# KiCad board Ashwing66_allkeys.kicad_pcb
title: Ashwing66; date: 2024-05-09; rev: 1; company: James Gzowski
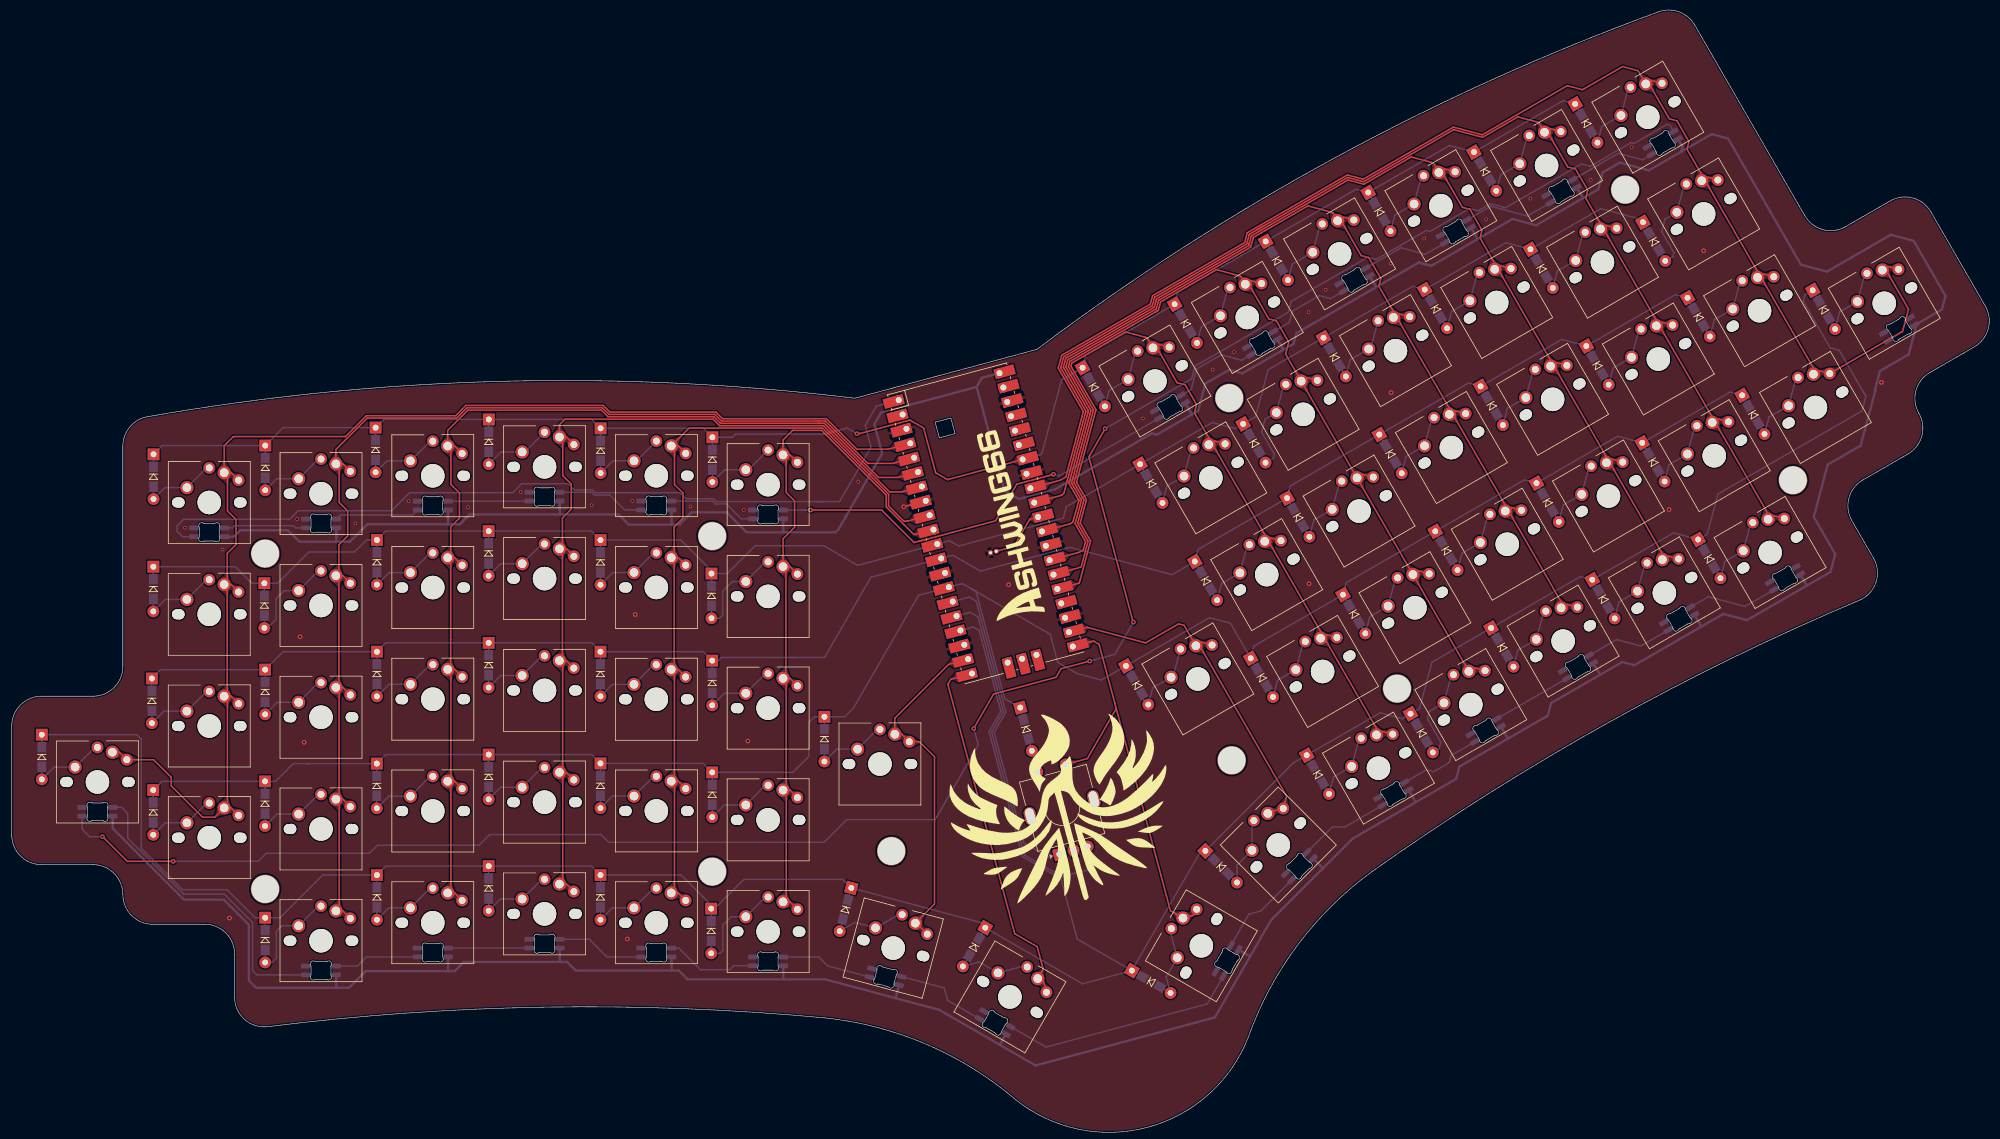
[diagram p0: board, top side]
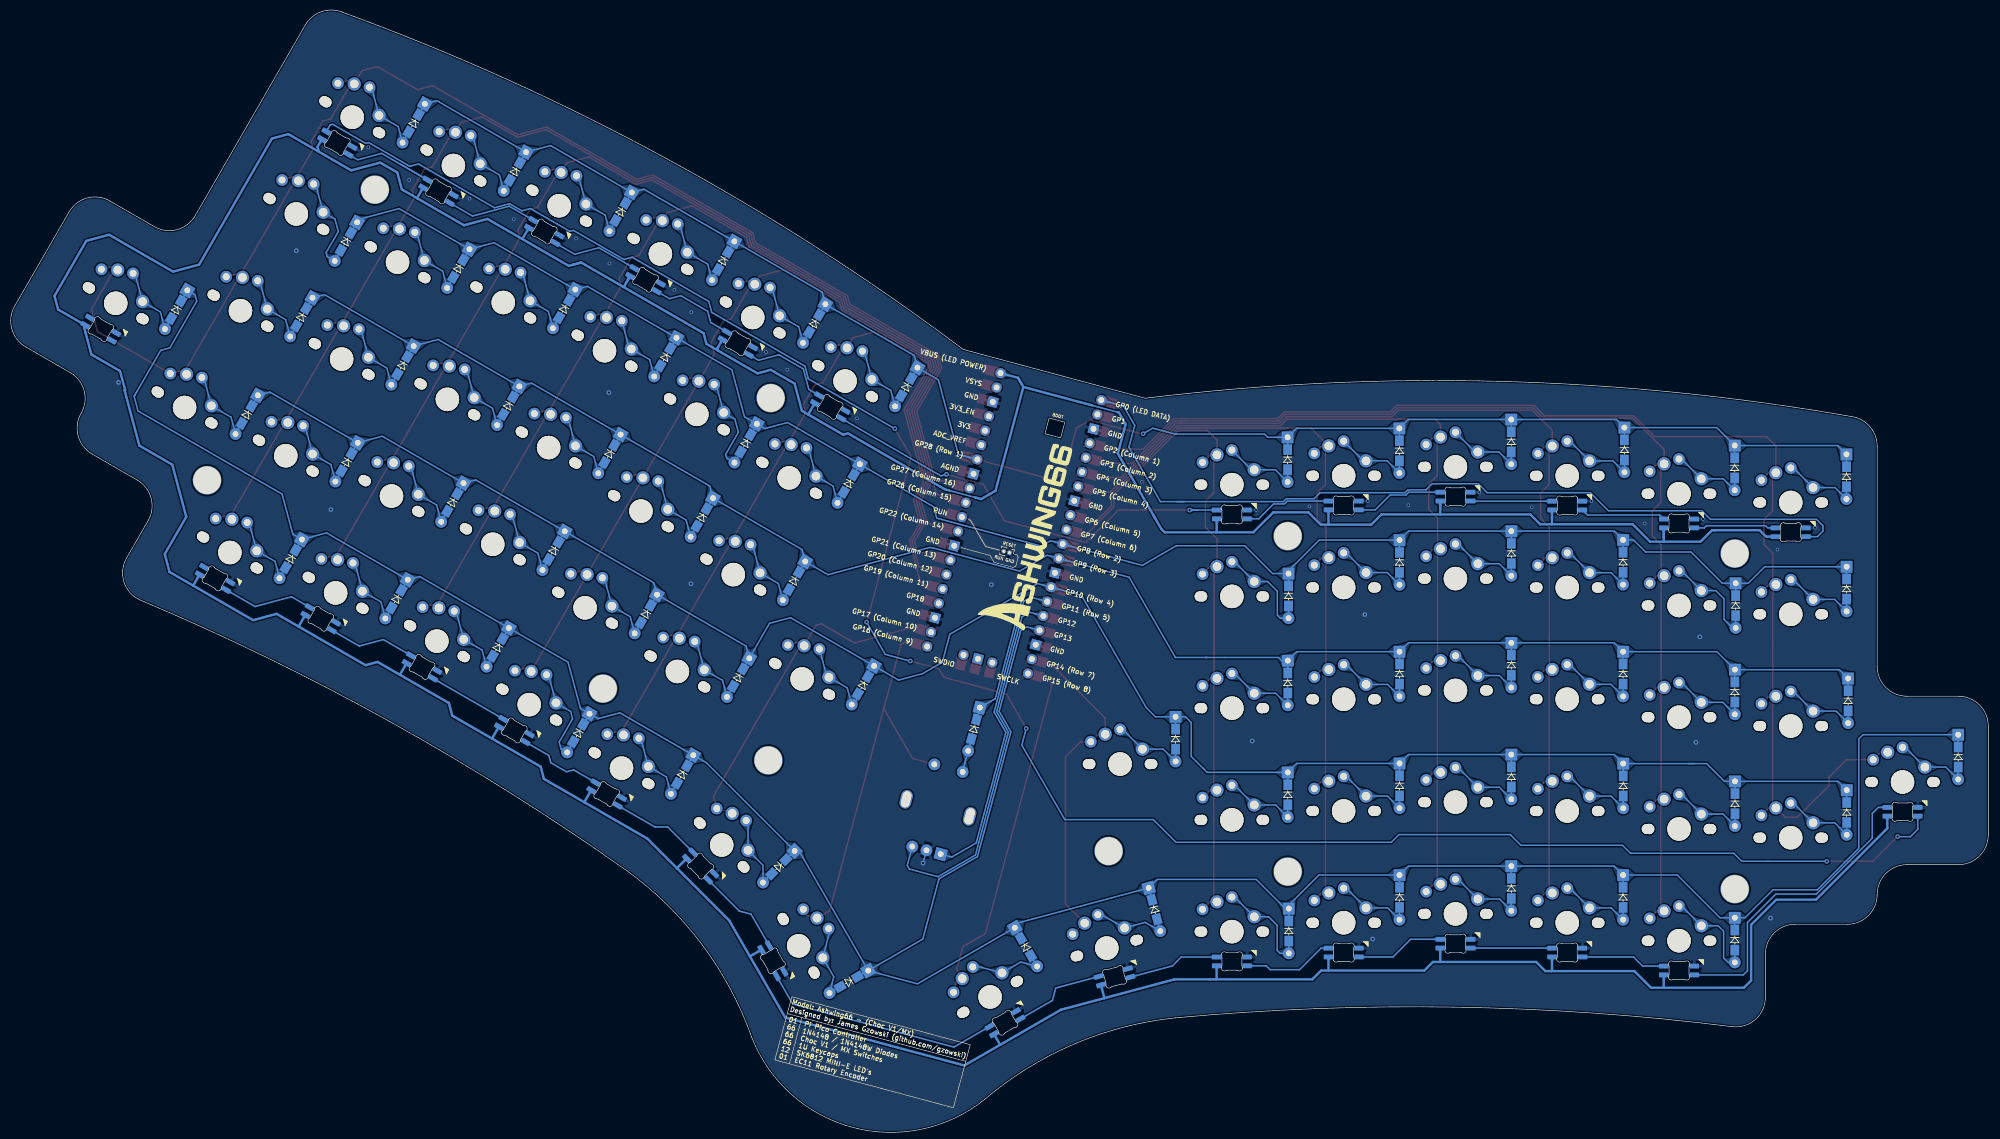
[diagram p1: board, bottom side, seen from below]

Outline 337.07 x 191.34 mm; copper layers: Top, Bottom. Coordinates in mm from the lower left corner of the outline.
Outline path: 157.39,121.08 160.07,121.8 160.79,119.12 158.11,118.4 closed ; 0,50.72 0,69.27 arc(1.49,72.87) 5.08,74.35 13.86,74.36 arc(17.45,75.84) 18.94,79.44 18.94,116.98 arc(20.12,120.24) 23.11,122.01 arc(83.28,128.04) 143.68,125.16 174.74,133.49 arc(225.61,166.19) 280.74,191.05 arc(284.21,191.02) 286.86,188.78 305.63,156.27 arc(308.72,153.9) 312.57,154.41 320.18,158.8 arc(324.03,159.3) 327.12,156.94 336.39,140.87 arc(336.9,137.02) 334.53,133.93 326.93,129.54 arc(324.57,126.46) 325.07,122.6 arc(325.58,118.75) 323.21,115.66 315.51,111.22 arc(313.15,108.13) 313.66,104.28 317.34,97.9 arc(317.78,93.85) 315.09,90.79 arc(272.29,69.95) 232.02,44.59 arc(219.23,32.01) 210.76,16.2 arc(193.63,0.87) 171.12,5.57 arc(155.89,15.03) 138.53,19.53 arc(90.97,21.35) 43.49,18.01 arc(39.63,19.31) 37.99,23.04 37.99,30.4 arc(36.5,33.99) 32.91,35.48 24.02,35.48 arc(20.43,36.97) 18.94,40.56 arc(17.45,44.15) 13.86,45.64 5.08,45.64 arc(1.49,47.13) 0,50.72
Stack: Top 0.035mm / dielectric 1.51mm FR4 er 4.5 / Bottom 0.035mm

## Placement (name value [footprint] x y rotation side)
D0  D  [Diode_THT_SOD123F_FIXED4]  24.17 111.78 270 bottom
D1  D  [Diode_THT_SOD123F_FIXED4]  43.22 113.28 270 bottom
D2  D  [Diode_THT_SOD123F_FIXED4]  62.02 116.34 270 bottom
D3  D  [Diode_THT_SOD123F_FIXED4]  81.32 117.73 270 bottom
D4  D  [Diode_THT_SOD123F_FIXED4]  100.37 116.21 270 bottom
D5  D  [Diode_THT_SOD123F_FIXED4]  119.42 114.69 270 bottom
D6  D  [Diode_THT_SOD123F_FIXED4]  184.43 127.07 300 bottom
D7  D  [Diode_THT_SOD123F_FIXED4]  200.12 137.89 300 bottom
D8  D  [Diode_THT_SOD123F_FIXED4]  215.64 148.6 300 bottom
D9  D  [Diode_THT_SOD123F_FIXED4]  233.11 156.94 300 bottom
D10  D  [Diode_THT_SOD123F_FIXED4]  251.14 163.81 300 bottom
D11  D  [Diode_THT_SOD123F_FIXED4]  268.39 172.04 300 bottom
D16  D  [Diode_THT_SOD123F_FIXED4]  24.14 92.63 270 bottom
D17  D  [Diode_THT_SOD123F_FIXED4]  43.06 89.81 270 bottom
D18  D  [Diode_THT_SOD123F_FIXED4]  62.25 97.19 270 bottom
D19  D  [Diode_THT_SOD123F_FIXED4]  81.29 98.7 270 bottom
D20  D  [Diode_THT_SOD123F_FIXED4]  100.35 97.16 270 bottom
D21  D  [Diode_THT_SOD123F_FIXED4]  119.27 91.46 270 bottom
D22  D  [Diode_THT_SOD123F_FIXED4]  194.24 110.62 300 bottom
D23  D  [Diode_THT_SOD123F_FIXED4]  211.8 117.48 300 bottom
D24  D  [Diode_THT_SOD123F_FIXED4]  225.49 132.17 300 bottom
D25  D  [Diode_THT_SOD123F_FIXED4]  242.75 140.39 300 bottom
D26  D  [Diode_THT_SOD123F_FIXED4]  260.77 147.26 300 bottom
D27  D  [Diode_THT_SOD123F_FIXED4]  279.94 151.86 300 bottom
D32  D  [Diode_THT_SOD123F_FIXED4]  5.12 63.99 270 bottom
D32#2  D  [Diode_THT_SOD123F_FIXED4]  138.52 67.04 270 bottom
D32#3  D  [Diode_THT_SOD123F_FIXED4]  23.89 73.58 270 bottom
D33  D  [Diode_THT_SOD123F_FIXED4]  43.19 75.08 270 bottom
D34  D  [Diode_THT_SOD123F_FIXED4]  62.25 78.14 270 bottom
D35  D  [Diode_THT_SOD123F_FIXED4]  81.29 79.65 270 bottom
D36  D  [Diode_THT_SOD123F_FIXED4]  100.35 78.14 270 bottom
D37  D  [Diode_THT_SOD123F_FIXED4]  119.4 76.61 270 bottom
D38  D  [Diode_THT_SOD123F_FIXED4]  203.56 94.03 300 bottom
D39  D  [Diode_THT_SOD123F_FIXED4]  219.28 104.84 300 bottom
D40  D  [Diode_THT_SOD123F_FIXED4]  235.01 115.67 300 bottom
D41  D  [Diode_THT_SOD123F_FIXED4]  252.27 123.89 300 bottom
D42  D  [Diode_THT_SOD123F_FIXED4]  270.3 130.76 300 bottom
D43  D  [Diode_THT_SOD123F_FIXED4]  287.54 138.98 300 bottom
D44  D  [Diode_THT_SOD123F_FIXED4]  191.82 76.23 300 bottom
D44#2  D  [Diode_THT_SOD123F_FIXED4]  308.88 140.26 300 bottom
D48  D  [Diode_THT_SOD123F_FIXED4]  24.12 54.54 270 bottom
D49  D  [Diode_THT_SOD123F_FIXED4]  43.17 56.04 270 bottom
D50  D  [Diode_THT_SOD123F_FIXED4]  62.22 59.06 270 bottom
D51  D  [Diode_THT_SOD123F_FIXED4]  81.29 60.6 270 bottom
D52  D  [Diode_THT_SOD123F_FIXED4]  100.35 59.09 270 bottom
D53  D  [Diode_THT_SOD123F_FIXED4]  119.4 57.56 270 bottom
D54  D  [Diode_THT_SOD123F_FIXED4]  213.08 77.53 300 bottom
D55  D  [Diode_THT_SOD123F_FIXED4]  228.82 88.37 300 bottom
D56  D  [Diode_THT_SOD123F_FIXED4]  244.54 99.17 300 bottom
D57  D  [Diode_THT_SOD123F_FIXED4]  261.8 107.39 300 bottom
D58  D  [Diode_THT_SOD123F_FIXED4]  279.82 114.26 300 bottom
D59  D  [Diode_THT_SOD123F_FIXED4]  296.85 122.36 300 bottom
D64  D  [Diode_THT_SOD123F_FIXED4]  43.2 32.78 270 bottom
D65  D  [Diode_THT_SOD123F_FIXED4]  62.25 40.06 270 bottom
D66  D  [Diode_THT_SOD123F_FIXED4]  81.3 41.59 270 bottom
D67  D  [Diode_THT_SOD123F_FIXED4]  100.35 40.06 270 bottom
D68  D  [Diode_THT_SOD123F_FIXED4]  119.22 34.34 270 bottom
D69  D  [Diode_THT_SOD123F_FIXED4]  142.12 37.99 255 bottom
D69#2  D  [Diode_THT_SOD123F_FIXED4]  164.03 31.6 240 bottom
D69#3  D  [Diode_THT_SOD123F_FIXED4]  172.89 68.73 285 bottom
D70  D  [Diode_THT_SOD123F_FIXED4]  206.15 45.29 315 bottom
D70#2  D  [Diode_THT_SOD123F_FIXED4]  194.21 25.67 330 bottom
D71  D  [Diode_THT_SOD123F_FIXED4]  222.63 61.01 300 bottom
D72  D  [Diode_THT_SOD123F_FIXED4]  240.33 68.08 300 bottom
D73  D  [Diode_THT_SOD123F_FIXED4]  254.06 82.69 300 bottom
D74  D  [Diode_THT_SOD123F_FIXED4]  271.31 90.92 300 bottom
D75  D  [Diode_THT_SOD123F_FIXED4]  289.35 97.78 300 bottom
G***  -  [LOGO]  168.22 103.23 105 top
G***#2  -  [LOGO]  163.96 102.01 105 bottom
K0  Blank  [SW_Cherry_Choc5_MX_1.00u_PCB_LED]  36.21 112.47 0 top
K1  Blank  [SW_Cherry_Choc5_MX_1.00u_PCB_LED_3D2_MX#2]  55.26 113.97 0 top
K2  Blank  [SW_Cherry_Choc5_MX_1.00u_PCB_LED_3D2_MX#2]  74.31 117.02 0 top
K3  Blank  [SW_Cherry_Choc5_MX_1.00u_PCB_LED_3D2_MX#2]  93.36 118.54 0 top
K4  Blank  [SW_Cherry_Choc5_MX_1.00u_PCB_LED_3D2_MX#2]  112.42 117.03 0 top
K5  Blank  [SW_Cherry_Choc5_MX_1.00u_PCB_LED_3D2_MX#2]  131.47 115.5 0 top
K6  Blank  [SW_Cherry_Choc5_MX_1.00u_PCB_LED_3D2_MX]  194.52 133.75 30 top
K7  Blank  [SW_Cherry_Choc5_MX_1.00u_PCB_LED_3D2_MX]  210.26 144.6 30 top
K8  Blank  [SW_Cherry_Choc5_MX_1.00u_PCB_LED_3D2_MX]  225.99 155.43 30 top
K9  Blank  [SW_Cherry_Choc5_MX_1.00u_PCB_LED_3D2_MX]  243.25 163.65 30 top
K10  Blank  [SW_Cherry_Choc5_MX_1.00u_PCB_LED_3D2_MX]  261.28 170.5 30 top
K11  Blank  [SW_Cherry_Choc5_MX_1.00u_PCB_LED_3D2_MX]  278.52 178.74 30 top
K16  Blank  [SW_Cherry_Choc5_MX_1.00u_PCB]  36.2 93.4 0 top
K17  Blank  [SW_Cherry_Choc5_MX_1.00u_PCB_3D#2]  55.25 94.9 0 top
K18  Blank  [SW_Cherry_Choc5_MX_1.00u_PCB_3D#2]  74.31 97.97 0 top
K19  Blank  [SW_Cherry_Choc5_MX_1.00u_PCB_3D#2]  93.36 99.49 0 top
K20  Blank  [SW_Cherry_Choc5_MX_1.00u_PCB_3D#2]  112.42 97.98 0 top
K21  Blank  [SW_Cherry_Choc5_MX_1.00u_PCB_3D#2]  131.47 96.45 0 top
K22  Blank  [SW_Cherry_Choc5_MX_1.00u_PCB_3D]  204.05 117.25 30 top
K23  Blank  [SW_Cherry_Choc5_MX_1.00u_PCB_3D]  219.78 128.08 30 top
K24  Blank  [SW_Cherry_Choc5_MX_1.00u_PCB_3D]  235.52 138.93 30 top
K25  Blank  [SW_Cherry_Choc5_MX_1.00u_PCB_3D]  252.78 147.15 30 top
K26  Blank  [SW_Cherry_Choc5_MX_1.00u_PCB_3D]  270.8 154.02 30 top
K27  Blank  [SW_Cherry_Choc5_MX_1.00u_PCB_3D]  288.05 162.24 30 top
K32  Blank  [SW_Cherry_Choc5_MX_1.00u_PCB_3D#2]  36.2 74.35 0 top
K33  Blank  [SW_Cherry_Choc5_MX_1.00u_PCB_3D#2]  55.25 75.85 0 top
K34  Blank  [SW_Cherry_Choc5_MX_1.00u_PCB_3D#2]  74.32 78.93 0 top
K35  Blank  [SW_Cherry_Choc5_MX_1.00u_PCB_3D#2]  93.35 80.43 0 top
K36  Blank  [SW_Cherry_Choc5_MX_1.00u_PCB_3D#2]  112.41 78.92 0 top
K37  Blank  [SW_Cherry_Choc5_MX_1.00u_PCB_3D#2]  131.47 77.4 0 top
K38  Blank  [SW_Cherry_Choc5_MX_1.00u_PCB_3D]  213.57 100.76 30 top
K39  Blank  [SW_Cherry_Choc5_MX_1.00u_PCB_3D]  229.31 111.59 30 top
K40  Blank  [SW_Cherry_Choc5_MX_1.00u_PCB_3D]  245.04 122.42 30 top
K41  Blank  [SW_Cherry_Choc5_MX_1.00u_PCB_3D]  262.3 130.64 30 top
K42  Blank  [SW_Cherry_Choc5_MX_1.00u_PCB_3D]  280.33 137.51 30 top
K43  Blank  [SW_Cherry_Choc5_MX_1.00u_PCB_3D]  297.57 145.75 30 top
K44  Blank  [SW_Cherry_Choc5_MX_1.00u_PCB_3D]  201.84 82.96 30 top
K44#2  Blank  [SW_Cherry_Choc5_MX_1.00u_PCB_LED_NEWER]  318.83 147.01 30 top
K48  Blank  [SW_Cherry_Choc5_MX_1.00u_PCB_3D#2]  36.21 55.32 0 top
K49  Blank  [SW_Cherry_Choc5_MX_1.00u_PCB_3D#2]  55.25 56.8 0 top
K50  Blank  [SW_Cherry_Choc5_MX_1.00u_PCB_3D#2]  74.31 59.87 0 top
K51  Blank  [SW_Cherry_Choc5_MX_1.00u_PCB_3D#2]  93.35 61.38 0 top
K52  Blank  [SW_Cherry_Choc5_MX_1.00u_PCB_3D#2]  112.42 59.88 0 top
K53  Blank  [SW_Cherry_Choc5_MX_1.00u_PCB_3D#2]  131.47 58.35 0 top
K54  Blank  [SW_Cherry_Choc5_MX_1.00u_PCB_3D]  223.1 84.24 30 top
K55  Blank  [SW_Cherry_Choc5_MX_1.00u_PCB_3D]  238.83 95.1 30 top
K56  Blank  [SW_Cherry_Choc5_MX_1.00u_PCB_3D]  254.57 105.93 30 top
K57  Blank  [SW_Cherry_Choc5_MX_1.00u_PCB_3D]  271.83 114.15 30 top
K58  Blank  [SW_Cherry_Choc5_MX_1.00u_PCB_3D]  289.85 121.02 30 top
K59  Blank  [SW_Cherry_Choc5_MX_1.00u_PCB_3D]  307.1 129.25 30 top
K60  Blank  [SW_Cherry_Choc5_MX_1.00u_PCB_3D#2]  150.53 67.88 0 top
K60#2  Blank  [SW_Cherry_Choc5_MX_1.00u_PCB_LED_NEWER]  17.15 64.81 0 top
K64  Blank  [SW_Cherry_Choc5_MX_1.00u_PCB_LED_NEWER]  55.25 37.75 0 top
K65  Blank  [SW_Cherry_Choc5_MX_1.00u_PCB_LED_NEWER]  74.31 40.82 0 top
K66  Blank  [SW_Cherry_Choc5_MX_1.00u_PCB_LED_NEWER]  93.35 42.33 0 top
K67  Blank  [SW_Cherry_Choc5_MX_1.00u_PCB_LED_NEWER]  112.41 40.82 0 top
K68  Blank  [SW_Cherry_Choc5_MX_1.00u_PCB_LED_NEWER]  131.47 39.3 0 top
K69  Blank  [SW_Cherry_Choc5_MX_1.00u_PCB_LED_NEWER]  174.88 26.22 330 top
K69#2  Blank  [SW_Cherry_Choc5_MX_1.00u_PCB_LED_NEWER]  154.01 35.67 345 top
K70  Blank  [SW_Cherry_Choc5_MX_1.00u_PCB_LED_NEWER]  199.64 36.54 60 top
K70#2  Blank  [SW_Cherry_Choc5_MX_1.00u_PCB_LED_NEWER]  214.09 54.38 45 top
K71  Blank  [SW_Cherry_Choc5_MX_1.00u_PCB_LED_NEWER]  232.62 67.76 30 top
K72  Blank  [SW_Cherry_Choc5_MX_1.00u_PCB_LED_NEWER]  248.36 78.59 30 top
K73  Blank  [SW_Cherry_Choc5_MX_1.00u_PCB_LED_NEWER]  264.09 89.42 30 top
K74  Blank  [SW_Cherry_Choc5_MX_1.00u_PCB_LED_NEWER]  281.35 97.64 30 top
K75  Blank  [SW_Cherry_Choc5_MX_1.00u_PCB_LED_NEWER]  299.37 104.53 30 top
Logo  -  [LOGO]  178.95 56.03 15 top
pico  -  [RPi_Pico_SMD_TH]  166.02 103.83 15 top
RESET  -  [PinHeader_1x02_P1.00mm_Vertical]  166.84 98.81 285 bottom
RotEnc  -  [RotaryEncoder_EC11]  179.04 55.33 105 top
TH3  HOLE  [HOLE_M2_TH]  149.92 47.96 15 top
TH3#2  HOLE  [HOLE_M2_TH]  119.4 44.46 15 top
TH3#3  HOLE  [HOLE_M2_TH]  119.4 101.66 15 top
TH3#4  HOLE  [HOLE_M2_TH]  43.2 98.68 15 top
TH3#5  HOLE  [HOLE_M2_TH]  43.2 41.48 15 top
TH3#6  HOLE  [HOLE_M2_TH]  303.61 111.18 195 bottom
TH3#7  HOLE  [HOLE_M2_TH]  207.53 125.19 195 bottom
TH3#8  HOLE  [HOLE_M2_TH]  275.01 160.72 195 bottom
TH3#9  HOLE  [HOLE_M2_TH]  207.94 63.43 195 bottom
TH3#10  HOLE  [HOLE_M2_TH]  236.13 75.66 195 bottom

## Library data of the parts
D0-D11 D16-D27 D32#3 D33-D43 D44#2 D48-D59 D64-D75 = -: ki_fp_filters: TO-???* *_Diode_* *SingleDiode* D_*
K0-K11 K44#2 K60#2 K64-K69 K69#2 K70 K70#2 K71-K75 = -: Field4: 1

## Footprints (pads in the part's own frame, mm; a bottom-side part is the same pattern mirrored in y, then rotated)
Diode_THT_SOD123F_FIXED4
  rect 2x2 hole 1: 1(-3.81,0)
  rect 1.8x1.5 smd: 1(-1.7,0) 2(1.7,0)
  round 1.999 hole 1: 2(3.81,0)
HOLE_M2_TH
  round 4.9 hole 4.7: (0,0)
PinHeader_1x02_P1.00mm_Vertical
  round 0.85 hole 0.5: 1(0,0) 2(0,-1)
RotaryEncoder_EC11
  oval 3.2x2 hole 2.8x1.5 unplated: (0,5.6) (0,-5.6)
  rect 2x2 hole 1: A(-7.5,2.5)
  round 2 hole 1: B(-7.5,-2.5) C(-7.5,0) ROTIN(7,2.5) S1(7,-2.5)
RPi_Pico_SMD_TH
  oval 1.7x1.7 hole 1.02: 1(-8.89,24.13) 2(-8.89,21.59) 4(-8.89,16.51) 5(-8.89,13.97) 6(-8.89,11.43) 7(-8.89,8.89) 9(-8.89,3.81) 10(-8.89,1.27) 11(-8.89,-1.27) 12(-8.89,-3.81) 14(-8.89,-8.89) 15(-8.89,-11.43) 16(-8.89,-13.97) 17(-8.89,-16.51) 19(-8.89,-21.59) 20(-8.89,-24.13) 21(8.89,-24.13) 22(8.89,-21.59) 24(8.89,-16.51) 25(8.89,-13.97) 26(8.89,-11.43) 27(8.89,-8.89) 29(8.89,-3.81) 30(8.89,-1.27) 31(8.89,1.27) 32(8.89,3.81) 34(8.89,8.89) 35(8.89,11.43) 36(8.89,13.97) 37(8.89,16.51) 39(8.89,21.59) 40(8.89,24.13) 41(-2.54,-23.9) 43(2.54,-23.9)
  rect 3.5x1.7 smd: 1(-8.89,24.13) 2(-8.89,21.59) 3(-8.89,19.05) 4(-8.89,16.51) 5(-8.89,13.97) 6(-8.89,11.43) 7(-8.89,8.89) 8(-8.89,6.35) 9(-8.89,3.81) 10(-8.89,1.27) 11(-8.89,-1.27) 12(-8.89,-3.81) 13(-8.89,-6.35) 14(-8.89,-8.89) 15(-8.89,-11.43) 16(-8.89,-13.97) 17(-8.89,-16.51) 18(-8.89,-19.05) 19(-8.89,-21.59) 20(-8.89,-24.13) 21(8.89,-24.13) 22(8.89,-21.59) 23(8.89,-19.05) 24(8.89,-16.51) 25(8.89,-13.97) 26(8.89,-11.43) 27(8.89,-8.89) 28(8.89,-6.35) 29(8.89,-3.81) 30(8.89,-1.27) 31(8.89,1.27) 32(8.89,3.81) 33(8.89,6.35) 34(8.89,8.89) 35(8.89,11.43) 36(8.89,13.97) 37(8.89,16.51) 38(8.89,19.05) 39(8.89,21.59) 40(8.89,24.13)
  rect 1.7x1.7 hole 1.02: 3(-8.89,19.05) 8(-8.89,6.35) 13(-8.89,-6.35) 18(-8.89,-19.05) 23(8.89,-19.05) 28(8.89,-6.35) 33(8.89,6.35) 38(8.89,19.05) 42(0,-23.9)
  rect 1.7x3.5 smd: 41(-2.54,-23.9) 42(0,-23.9) 43(2.54,-23.9)
SW_Cherry_Choc5_MX_1.00u_PCB
  round 1.7 hole 1.7 unplated: (-8.04,-5.08) (2.96,-5.08)
  round 1.75 hole 1.75 unplated: (-7.62,-5.08) (2.54,-5.08)
  round 4 hole 4 unplated: (-2.54,-5.08)
  round 2.25 hole 1.47: 1(0,0)
  round 2 hole 1.2: 1(2.46,-1.28) 2(-2.54,0.82)
  oval 2.25x2.25 hole 1.47: 2(-6.35,-2.54)
SW_Cherry_Choc5_MX_1.00u_PCB_3D
  round 1.7 hole 1.7 unplated: (-8.04,-5.08) (2.96,-5.08)
  round 1.75 hole 1.75 unplated: (-7.62,-5.08) (2.54,-5.08)
  round 4 hole 4 unplated: (-2.54,-5.08)
  round 2.25 hole 1.47: 1(0,0)
  round 2 hole 1.2: 1(2.46,-1.28) 2(-2.54,0.82)
  oval 2.25x2.25 hole 1.47: 2(-6.35,-2.54)
SW_Cherry_Choc5_MX_1.00u_PCB_3D#2
  round 1.7 hole 1.7 unplated: (-8.04,-5.08) (2.96,-5.08)
  round 1.75 hole 1.75 unplated: (-7.62,-5.08) (2.54,-5.08)
  round 4 hole 4 unplated: (-2.54,-5.08)
  round 2.25 hole 1.47: 1(0,0)
  round 2 hole 1.2: 1(2.46,-1.28) 2(-2.54,0.82)
  oval 2.25x2.25 hole 1.47: 2(-6.35,-2.54)
SW_Cherry_Choc5_MX_1.00u_PCB_LED
  round 1.7 hole 1.7 unplated: (-8.04,-5.08) (2.96,-5.08)
  round 1.75 hole 1.75 unplated: (-7.62,-5.08) (2.54,-5.08)
  round 4 hole 4 unplated: (-2.54,-5.08)
  round 2.25 hole 1.47: 1(0,0)
  rrect 1.6x0.82 smd far side: 1(0.055,-10.905) 2(0.055,-9.405) 3(-5.145,-9.405) 4(-5.145,-10.905)
  round 2 hole 1.2: 1(2.46,-1.28) 2(-2.54,0.82)
  oval 2.25x2.25 hole 1.47: 2(-6.35,-2.54)
SW_Cherry_Choc5_MX_1.00u_PCB_LED_3D2_MX
  round 1.7 hole 1.7 unplated: (-8.04,-5.08) (2.96,-5.08)
  round 1.75 hole 1.75 unplated: (-7.62,-5.08) (2.54,-5.08)
  round 4 hole 4 unplated: (-2.54,-5.08)
  round 2.25 hole 1.47: 1(0,0)
  rrect 1.6x0.82 smd far side: 1(0.055,-10.905) 2(0.055,-9.405) 3(-5.145,-9.405) 4(-5.145,-10.905)
  round 2 hole 1.2: 1(2.46,-1.28) 2(-2.54,0.82)
  oval 2.25x2.25 hole 1.47: 2(-6.35,-2.54)
SW_Cherry_Choc5_MX_1.00u_PCB_LED_3D2_MX#2
  round 1.7 hole 1.7 unplated: (-8.04,-5.08) (2.96,-5.08)
  round 1.75 hole 1.75 unplated: (-7.62,-5.08) (2.54,-5.08)
  round 4 hole 4 unplated: (-2.54,-5.08)
  round 2.25 hole 1.47: 1(0,0)
  rrect 1.6x0.82 smd far side: 1(0.055,-10.905) 2(0.055,-9.405) 3(-5.145,-9.405) 4(-5.145,-10.905)
  round 2 hole 1.2: 1(2.46,-1.28) 2(-2.54,0.82)
  oval 2.25x2.25 hole 1.47: 2(-6.35,-2.54)
SW_Cherry_Choc5_MX_1.00u_PCB_LED_NEWER
  round 1.7 hole 1.7 unplated: (-8.04,-5.08) (2.96,-5.08)
  round 1.75 hole 1.75 unplated: (-7.62,-5.08) (2.54,-5.08)
  round 4 hole 4 unplated: (-2.54,-5.08)
  round 2.25 hole 1.47: 1(0,0)
  round 2 hole 1.2: 1(2.46,-1.28) 2(-2.54,0.82)
  oval 2.25x2.25 hole 1.47: 2(-6.35,-2.54)
  rrect 1.6x0.82 smd far side: 3(-5.145,-9.405) 4(-5.145,-10.905) 5(0.055,-9.405) 6(0.055,-10.905)

## Nets
3V3: pico.36
3V3EN: pico.37
GND: K0.3 K1.3 K2.3 K3.3 K4.3 K5.3 K6.3 K7.3 K8.3 K9.3 K10.3 K11.3 K44#2.3 K60#2.3 K64.3 K65.3 K66.3 K67.3 K68.3 K69.3 K69#2.3 K70.3 K70#2.3 K71.3 K72.3 K73.3 K74.3 K75.3 pico.3 pico.8 pico.13 pico.18 pico.23 pico.28 pico.33 pico.38 RESET.1 RotEnc.C
VBUS: K44#2.6 K60#2.6 K64.6 K65.6 K66.6 K67.6 K68.6 K69.6 K69#2.6 K70.6 K70#2.6 K71.6 K72.6 K73.6 K74.6 K75.6 pico.40
Col_0: K16.1 K32.1 K48.1 K60#2.1 pico.4
Col_0|VBUS: K0.1
Col_1: K17.1 K33.1 K49.1 K64.1 pico.5
Col_1|VBUS: K1.1
Col_2: K18.1 K34.1 K50.1 K65.1 pico.6
Col_2|VBUS: K2.1
Col_3: K19.1 K35.1 K51.1 K66.1 pico.7
Col_3|VBUS: K3.1
Col_4: K20.1 K36.1 K52.1 K67.1 pico.9
Col_4|VBUS: K4.1
Col_5: K21.1 K37.1 K53.1 K68.1 pico.10
Col_5|VBUS: K5.1
Col_6: K60.1 K69#2.1 pico.19
Col_7: K69.1 pico.20
Col_8: K70.1 pico.21 RotEnc.S1
Col_9: K44.1 K70#2.1 pico.22
Col_10: K22.1 K38.1 K54.1 K71.1 pico.25
Col_10|VBUS: K6.1
Col_11: K23.1 K39.1 K55.1 K72.1 pico.26
Col_11|VBUS: K7.1
Col_12: K24.1 K40.1 K56.1 K73.1 pico.27
Col_12|VBUS: K8.1
Col_13: K25.1 K41.1 K57.1 K74.1 pico.29
Col_13|VBUS: K9.1
Col_14: K26.1 K42.1 K58.1 K75.1 pico.31
Col_14|VBUS: K10.1
Col_15: K27.1 K43.1 K44#2.1 K59.1 pico.32
Col_15|VBUS: K11.1
LED1: K0.4 pico.1
LED2: K1.4
LED2|Net-(D0-A): K0.2
LED3: K2.4
LED3|Net-(D1-A): K1.2
LED4: K3.4
LED4|Net-(D2-A): K2.2
LED5: K4.4
LED5|Net-(D3-A): K3.2
LED6: K5.4
LED6|Net-(D4-A): K4.2
LED7: K6.4
LED7|Net-(D5-A): K5.2
LED8: K7.4
LED8|Net-(D6-A): K6.2
LED9: K8.4
LED9|Net-(D7-A): K7.2
LED10: K9.4
LED10|Net-(D8-A): K8.2
LED11: K10.4
LED11|Net-(D9-A): K9.2
LED12: K11.4
LED12|Net-(D10-A): K10.2
LED13: K60#2.4
LED13|Net-(D11-A): K11.2
NET-(DEXT-A): D69#2.2 K69.2
ROT_BUT: D69#3.2 RotEnc.ROTIN
ROT_IN: pico.15 RotEnc.A
ROT_OUT: pico.16 RotEnc.B
Row_0: D0.1 D1.1 D2.1 D3.1 D4.1 D5.1 D6.1 D7.1 D8.1 D9.1 D10.1 D11.1 pico.34
Row_1: D16.1 D17.1 D18.1 D19.1 D20.1 D21.1 D22.1 D23.1 D24.1 D25.1 D26.1 D27.1 pico.11
Row_2: D32#3.1 D33.1 D34.1 D35.1 D36.1 D37.1 D38.1 D39.1 D40.1 D41.1 D42.1 D43.1 pico.12
Row_3: D32#2.1 D44.1 D48.1 D49.1 D50.1 D51.1 D52.1 D53.1 D54.1 D55.1 D56.1 D57.1 D58.1 D59.1 D69#3.1 pico.14
Row_4: D32.1 D44#2.1 D64.1 D65.1 D66.1 D67.1 D68.1 D69.1 D69#2.1 D70.1 D70#2.1 D71.1 D72.1 D73.1 D74.1 D75.1 pico.17
RUN: pico.30 RESET.2
VSYS: pico.39
Net-(D0-A): D0.2
Net-(D1-A): D1.2
Net-(D2-A): D2.2
Net-(D3-A): D3.2
Net-(D4-A): D4.2
Net-(D5-A): D5.2
Net-(D6-A): D6.2
Net-(D7-A): D7.2
Net-(D8-A): D8.2
Net-(D9-A): D9.2
Net-(D10-A): D10.2
Net-(D11-A): D11.2
Net-(D16-A): D16.2 K16.2
Net-(D17-A): D17.2 K17.2
Net-(D18-A): D18.2 K18.2
Net-(D19-A): D19.2 K19.2
Net-(D20-A): D20.2 K20.2
Net-(D21-A): D21.2 K21.2
Net-(D22-A): D22.2 K22.2
Net-(D23-A): D23.2 K23.2
Net-(D24-A): D24.2 K24.2
Net-(D25-A): D25.2 K25.2
Net-(D26-A): D26.2 K26.2
Net-(D27-A): D27.2 K27.2
Net-(D32-A): D32#3.2 K32.2
Net-(D33-A): D33.2 K33.2
Net-(D34-A): D34.2 K34.2
Net-(D35-A): D35.2 K35.2
Net-(D36-A): D36.2 K36.2
Net-(D37-A): D37.2 K37.2
Net-(D38-A): D38.2 K38.2
Net-(D39-A): D39.2 K39.2
Net-(D40-A): D40.2 K40.2
Net-(D41-A): D41.2 K41.2
Net-(D42-A): D42.2 K42.2
Net-(D43-A): D43.2 K43.2
Net-(D44-A): D44.2 D44#2.2 K44.2 K44#2.2
Net-(D48-A): D48.2 K48.2
Net-(D49-A): D49.2 K49.2
Net-(D50-A): D50.2 K50.2
Net-(D51-A): D51.2 K51.2
Net-(D52-A): D52.2 K52.2
Net-(D53-A): D53.2 K53.2
Net-(D54-A): D54.2 K54.2
Net-(D55-A): D55.2 K55.2
Net-(D56-A): D56.2 K56.2
Net-(D57-A): D57.2 K57.2
Net-(D58-A): D58.2 K58.2
Net-(D59-A): D59.2 K59.2
Net-(D60-A): D32.2 D32#2.2 K60.2 K60#2.2
Net-(D61-A): D70#2.2 K70.2
Net-(D64-A): D64.2 K64.2
Net-(D65-A): D65.2 K65.2
Net-(D66-A): D66.2 K66.2
Net-(D67-A): D67.2 K67.2
Net-(D68-A): D68.2 K68.2
Net-(D69-A): D69.2 K69#2.2
Net-(D70-A): D70.2 K70#2.2
Net-(D71-A): D71.2 K71.2
Net-(D72-A): D72.2 K72.2
Net-(D73-A): D73.2 K73.2
Net-(D74-A): D74.2 K74.2
Net-(D75-A): D75.2 K75.2

Pads without a net: K44#2 4 5; K60#2 5; K64 4 5; K65 4 5; K66 4 5; K67 4 5; K68 4 5; K69 4 5; K69#2 4 5; K70 4 5; K70#2 4 5; K71 4 5; K72 4 5; K73 4 5; K74 4 5; K75 4 5; pico 2 24 35 41 42 43

## Via types
v1: diameter 0.6, hole 0.4, Top to Bottom, 23 vias
v2: diameter 0.8, hole 0.4, Top to Bottom, 23 vias
